# Altium PCB HW_PROCESSOR_BOARD_R1.PcbDoc (part 1 of 2) (continued)
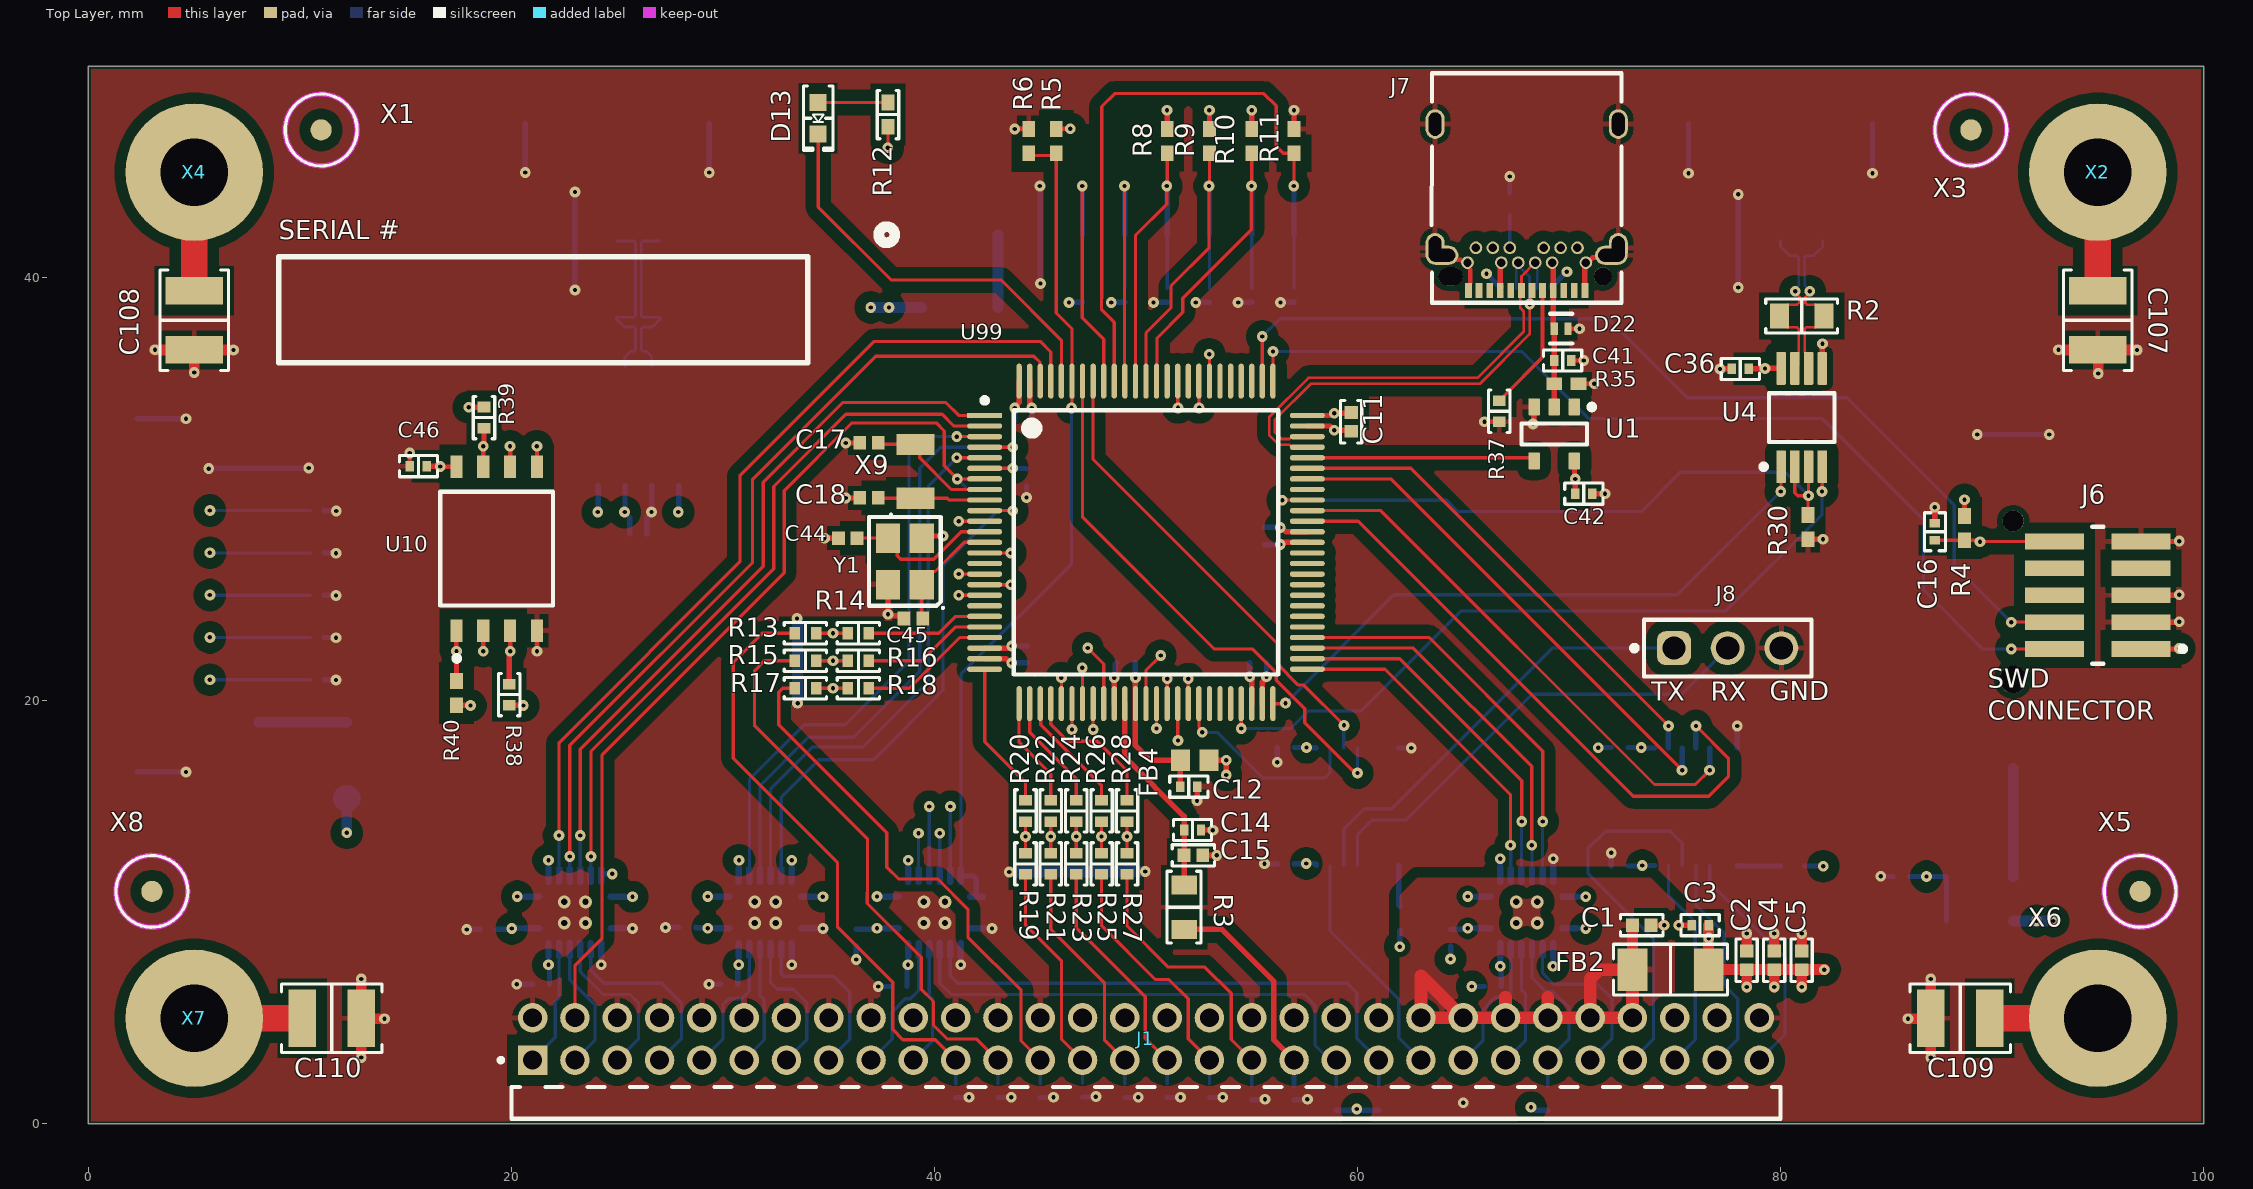
[diagram p0: Top Layer view]
## Components (designator, comment, footprint, x,y, rotation, side; value= is the part's Value field where it differs from the comment) (continued)
U3 "SN74AVC4T774RGYR" FP-RGY0016A-MFG 68,10 r270 bottom
U4 "SN65HVD75DGKR" DGK0008A_M 81,33.4 r90 top
U5 "TXS0104EQPWRQ1" FP-PW0014A-IPC_C 76,15 r270 bottom
U6 "SN65HVD232DR" D0008A_M 26,33 r90 bottom
U7 "SN74AVC4T774RGYR" FP-RGY0016A-MFG 32,10 r270 bottom
U8 "TXS0104EQPWRQ1" FP-PW0014A-IPC_C 60,15 r270 bottom
U9 "SN74AVC4T774RGYR" FP-RGY0016A-MFG 40,10 r270 bottom
U10 "MX25L12833FM2I-10G" FP-MX25L12833FM2I-10G-MFG 19.3,27.2 r90 top
U99 "STM32G474VET6" FP-LQFP100-1L-IPC_B 50,27.5 r0 top locked
X1 "FIDUCIAL" FIDUCIAL 11,47 r0 top
X2 "M3" FIXING_M3 95,45 r0 top locked
X3 "FIDUCIAL" FIDUCIAL 89,47 r0 top
X4 "M3" FIXING_M3 5,45 r0 top locked
X5 "FIDUCIAL" FIDUCIAL 97,11 r0 top
X6 "M3" FIXING_M3 95,5 r0 top locked
X7 "M3" FIXING_M3 5,5 r0 top
X8 "FIDUCIAL" FIDUCIAL 3,11 r0 top
X9 "CRYSTAL 32.7680KHZ 12.5PF SMD" CRY_ABS07 39.093,30.859 r90 top value=32.768KHZ
Y1 "24 MHz" "EPSON TSX-3225" 38.6,26.6 r90 top

## Footprints (in the part's own frame and the unit in brackets; to place one, negate y for a bottom-side part, rotate by r counter-clockwise, add the part's x,y. Pads: shape width x height; smd on the part's side, far side on the other; paste and mask are expansions set on the pad)
BAT_1056 [mm]
  rect 3.6x2.6 smd: N(7.61,0) P(-8.18,0)
  round 1.3 hole 1.3 unplated: ""(-3.98,0)
  round 1 hole 1 unplated: ""(3.51,0)
  silkscreen extent -11.74,-7.75 11.18,7.75, body extent -9.46,-7.56 9.34,7.57, height 4.24
"CAP 0402_1005" [mm] "Chip Capacitor, 2-Leads, Body 1.02x0.51mm, IPC Medium Density"
  rect 0.6x0.64 smd: 1(-0.44,0) 2(0.44,0)
  silkscreen extent -1,-0.5 1,0.5, body extent -0.5,-0.26 0.5,0.26, height 0.52
"CAP 1210_3225 - 1MM" [mm] "Chip Capacitor, 2-Leads, Body 3.20x2.50mm, IPC Medium Density"
  rect 1.3x2.7 smd: 1(-1.4,0) 2(1.4,0)
  silkscreen extent -2.37,-1.63 2.37,1.63, body extent -1.6,-1.25 1.6,1.25, height 1
CONN_S8B-PH-SM4-TB_JST [mil]
  rect 39x138 smd paste+0 mask+0: 1(-275.59,116.35) 2(-196.85,116.35) 3(-118.11,116.35) 4(-39.37,116.35) 5(39.37,116.35) 6(118.11,116.35) 7(196.85,116.35) 8(275.59,116.35)
  rect 59x134 smd paste+0 mask+0: 9(-368.11,-110.03) 10(368.11,-110.03)
  silkscreen extent -498,-174 396,174, body extent -392,-169 392,169, height 217
CRY_ABS07 [mm]
  rect 1x1.8 smd: 1(-1.275,0) 2(1.275,0)
  silkscreen extent -2.1,1.1 -2,1.2, body extent -1.61,-0.76 1.61,0.76, height 0.91
"CUI UJ31-CH-31-SMT-TR" [mm] "USB-C Receptacle Connector, 24 Postions, Body 8.96x10.85mm, SMD Pitch 0.5mm, TH Pitch 0.4mm"
  rect 0.32x0.7 smd: A1(-2.75,4.835) A2(-2.25,4.835) A3(-1.75,4.835) A4(-1.25,4.835) A5(-0.75,4.835) A6(-0.25,4.835) A7(0.25,4.835) A8(0.75,4.835) A9(1.25,4.835) A10(1.75,4.835) A11(2.25,4.835) A12(2.75,4.835)
  round 0.6 hole 0.4: B1(2.8,3.525) B2(2.4,2.825) B3(1.6,2.825) B4(1.2,3.525) B5(0.8,2.825) B6(0.4,3.525) B7(-0.4,3.525) B8(-0.8,2.825) B9(-1.2,3.525) B10(-1.6,2.825) B11(-2.4,2.825) B12(-2.8,3.525)
  oval 0.9x1.4 hole 0.6 slot 1.1 at 90 deg: S(-4.33,2.825) S(-4.33,-3.025) S(4.33,2.825) S(4.33,-3.025)
  oval 1.55x0.9 hole 0.6 slot 1.25 at 0 deg: S(-4.005,3.175) S(4.005,3.175)
  round 0.85 hole 0.85 unplated: ""(-3.6,4.175)
  oval 1.15x0.85 hole 0.85 slot 1.15 at 0 deg unplated: ""(3.6,4.175)
  silkscreen extent -4.48,-5.43 4.5,5.42, body extent -4.48,-5.43 4.48,5.43, height 3.2
D0008A_M [mm] "SOIC, 8-Leads, Body 5x4mm, Pitch 1.27mm, IPC Low Density"
  rrect15% 1.65x0.65 smd: 1(-2.825,1.905) 2(-2.825,0.635) 3(-2.825,-0.635) 4(-2.825,-1.905) 5(2.825,-1.905) 6(2.825,-0.635) 7(2.825,0.635) 8(2.825,1.905)
  silkscreen extent -2.95,-2.5 1.6,2.91, body extent -3,-2.45 3,2.45, height 1.63
DBV0005A_L [mm] "SOT23, 5-Leads, Body 3.05x1.75mm, Pitch 0.95mm, IPC High Density"
  rrect18% 0.8x0.55 smd: 1(-1.275,0.95) 2(-1.275,0) 3(-1.275,-0.95) 4(1.275,-0.95) 5(1.275,0.95)
  silkscreen extent -1.4,-1.55 0.5,1.9, body extent -1.42,-1.46 1.42,1.46, height 1.08
DGK0008A_M [mm] "TSOP, 8-Leads, Body 3.1x3.1mm, Pitch 0.65mm, IPC Low Density"
  rrect22% 1.55x0.45 smd: 1(-2.325,0.975) 2(-2.325,0.325) 3(-2.325,-0.325) 4(-2.325,-0.975) 5(2.325,-0.975) 6(2.325,-0.325) 7(2.325,0.325) 8(2.325,0.975)
  silkscreen extent -2.45,-1.55 1.15,1.92, body extent -2.45,-1.5 2.45,1.5, height 0.94
"EPSON TSX-3225" [mm] "Crystal, 4-Leads, Body 2.50x3.20mm, Pitch 2.20mm, IPC Medium Density"
  rect 1.4x1.15 smd: 1(-1.1,-0.8) 2(1.1,-0.8) 3(1.1,0.8) 4(-1.1,0.8)
  silkscreen extent -2.25,-1.85 2.1,1.7, body extent -1.61,-1.26 1.61,1.26, height 0.6
"FER 0603_1608" [mm]
  rect 0.9x1 smd: 1(-0.675,0) 2(0.675,0)
  body extent -0.8,-0.41 0.8,0.41, height 0.82
"FER 1206_3216" [mm] "Chip Ferrite, 2-Leads, Body 3.20x1.60mm, IPC Medium Density"
  rect 1.4x2 smd: 1(-1.8,0) 2(1.8,0)
  silkscreen extent -2.7,-1.2 2.7,1.2, body extent -1.65,-0.85 1.65,0.85, height 1.3
FIDUCIAL [mm]
  round 1 smd mask+1.5: 1(0,0)
  round 1 smd far side mask+1.5: 1(0,0)
  Top Layer keep-out circle w0.254: c0,0 r1.7
  Bottom Layer keep-out circle w0.254: c0,0 r1.649
  silkscreen extent -1.7,-1.7 1.7,1.7
FIXING_M3 [mm]
  round 6.5 hole 3.2: 1(0,0)
FP-LQFP100-1L-IPC_B [mm]
  rect 1.655x0.252 smd paste+0 mask+0: 1(-7.625,6)
  rrect100% 1.655x0.252 smd paste+0 mask+0: 2(-7.625,5.5) 3(-7.625,5) 4(-7.625,4.5) 5(-7.625,4) 6(-7.625,3.5) 7(-7.625,3) 8(-7.625,2.5) 9(-7.625,2) 10(-7.625,1.5) 11(-7.625,1) 12(-7.625,0.5) 13(-7.625,0) 14(-7.625,-0.5) 15(-7.625,-1) 16(-7.625,-1.5) 17(-7.625,-2) 18(-7.625,-2.5) 19(-7.625,-3) 20(-7.625,-3.5) 21(-7.625,-4) 22(-7.625,-4.5) 23(-7.625,-5) 24(-7.625,-5.5) 25(-7.625,-6) 51(7.625,-6) 52(7.625,-5.5) 53(7.625,-5) 54(7.625,-4.5) 55(7.625,-4) 56(7.625,-3.5) 57(7.625,-3) 58(7.625,-2.5) 59(7.625,-2) 60(7.625,-1.5) 61(7.625,-1) 62(7.625,-0.5) 63(7.625,0) 64(7.625,0.5) 65(7.625,1) 66(7.625,1.5) 67(7.625,2) 68(7.625,2.5) 69(7.625,3) 70(7.625,3.5) 71(7.625,4) 72(7.625,4.5) 73(7.625,5) 74(7.625,5.5) 75(7.625,6)
  rrect100% 0.252x1.655 smd paste+0 mask+0: 26(-6,-7.625) 27(-5.5,-7.625) 28(-5,-7.625) 29(-4.5,-7.625) 30(-4,-7.625) 31(-3.5,-7.625) 32(-3,-7.625) 33(-2.5,-7.625) 34(-2,-7.625) 35(-1.5,-7.625) 36(-1,-7.625) 37(-0.5,-7.625) 38(0,-7.625) 39(0.5,-7.625) 40(1,-7.625) 41(1.5,-7.625) 42(2,-7.625) 43(2.5,-7.625) 44(3,-7.625) 45(3.5,-7.625) 46(4,-7.625) 47(4.5,-7.625) 48(5,-7.625) 49(5.5,-7.625) 50(6,-7.625) 76(6,7.625) 77(5.5,7.625) 78(5,7.625) 79(4.5,7.625) 80(4,7.625) 81(3.5,7.625) 82(3,7.625) 83(2.5,7.625) 84(2,7.625) 85(1.5,7.625) 86(1,7.625) 87(0.5,7.625) 88(0,7.625) 89(-0.5,7.625) 90(-1,7.625) 91(-1.5,7.625) 92(-2,7.625) 93(-2.5,7.625) 94(-3,7.625) 95(-3.5,7.625) 96(-4,7.625) 97(-4.5,7.625) 98(-5,7.625) 99(-5.5,7.625) 100(-6,7.625)
  silkscreen extent -7.75,-6.25 6.25,6.83, body extent -8.7,-8.7 8.7,8.7, height 0.25
FP-MX25L12833FM2I-10G-MFG [mm]
  rect 1.05x0.57 smd paste+0 mask+0: 1(-3.875,1.905) 2(-3.875,0.635) 3(-3.875,-0.635) 4(-3.875,-1.905) 5(3.875,-1.905) 6(3.875,-0.635) 7(3.875,0.635) 8(3.875,1.905)
  silkscreen extent -5.31,-2.67 2.69,2.67, body extent -4.5,-2.77 4.5,2.77, height 0.25
FP-PW0014A-IPC_C [mm]
  rect 1.355x0.341 smd paste+0 mask+0: 1(-2.775,1.95)
  rrect100% 1.355x0.341 smd paste+0 mask+0: 2(-2.775,1.3) 3(-2.775,0.65) 4(-2.775,0) 5(-2.775,-0.65) 6(-2.775,-1.3) 7(-2.775,-1.95) 8(2.775,-1.95) 9(2.775,-1.3) 10(2.775,-0.65) 11(2.775,0) 12(2.775,0.65) 13(2.775,1.3) 14(2.775,1.95)
  silkscreen extent -4.17,-2.5 1.6,2.5, body extent -3.17,-2.5 3.23,2.5, height 1.2
FP-RGY0016A-MFG [mm]
  round 0.252 smd paste-1000 mask+0: 1(-0.75,1.975) 2(-1.725,1.25) 3(-1.725,0.75) 4(-1.725,0.25) 5(-1.725,-0.25) 6(-1.725,-0.75) 7(-1.725,-1.25) 8(-0.75,-1.975) 9(0.75,-1.975) 10(1.725,-1.25) 11(1.725,-0.75) 12(1.725,-0.25) 13(1.725,0.25) 14(1.725,0.75) 15(1.725,1.25) 16(0.75,1.975)
  rect 2.05x2.55 smd paste-1000 mask+0: 17(0,0)
  Top Layer region: 2.15,-1.39 1.44,-1.39 1.386,-1.379 1.341,-1.349 1.311,-1.304 1.3,-1.25 1.3,-1.25 1.311,-1.196 1.341,-1.151 1.386,-1.121 1.44,-1.11 1.44,-1.11 2.15,-1.11
  Top Layer region: 0.61,-2.4 0.61,-1.69 0.621,-1.636 0.651,-1.591 0.696,-1.561 0.75,-1.55 0.75,-1.55 0.804,-1.561 0.849,-1.591 0.879,-1.636 0.89,-1.69 0.89,-1.69 0.89,-2.4
  Top Layer region: 0.89,2.4 0.89,1.69 0.879,1.636 0.849,1.591 0.804,1.561 0.75,1.55 0.75,1.55 0.696,1.561 0.651,1.591 0.621,1.636 0.61,1.69 0.61,1.69 0.61,2.4
  Top Layer region: -0.89,-2.4 -0.89,-1.69 -0.879,-1.636 -0.849,-1.591 -0.804,-1.561 -0.75,-1.55 -0.75,-1.55 -0.696,-1.561 -0.651,-1.591 -0.621,-1.636 -0.61,-1.69 -0.61,-1.69 -0.61,-2.4
  Top Layer region: 2.15,1.11 1.44,1.11 1.386,1.121 1.341,1.151 1.311,1.196 1.3,1.25 1.3,1.25 1.311,1.304 1.341,1.349 1.386,1.379 1.44,1.39 1.44,1.39 2.15,1.39
  Top Layer region: 2.15,0.61 1.44,0.61 1.386,0.621 1.341,0.651 1.311,0.696 1.3,0.75 1.3,0.75 1.311,0.804 1.341,0.849 1.386,0.879 1.44,0.89 1.44,0.89 2.15,0.89
  Top Layer region: 2.15,0.11 1.44,0.11 1.386,0.121 1.341,0.151 1.311,0.196 1.3,0.25 1.3,0.25 1.311,0.304 1.341,0.349 1.386,0.379 1.44,0.39 1.44,0.39 2.15,0.39
  Top Layer region: 2.15,-0.39 1.44,-0.39 1.386,-0.379 1.341,-0.349 1.311,-0.304 1.3,-0.25 1.3,-0.25 1.311,-0.196 1.341,-0.151 1.386,-0.121 1.44,-0.11 1.44,-0.11 2.15,-0.11
  Top Layer region: 2.15,-0.89 1.44,-0.89 1.386,-0.879 1.341,-0.849 1.311,-0.804 1.3,-0.75 1.3,-0.75 1.311,-0.696 1.341,-0.651 1.386,-0.621 1.44,-0.61 1.44,-0.61 2.15,-0.61
  Top Layer region: -2.15,-1.11 -1.44,-1.11 -1.386,-1.121 -1.341,-1.151 -1.311,-1.196 -1.3,-1.25 -1.3,-1.25 -1.311,-1.304 -1.341,-1.349 -1.386,-1.379 -1.44,-1.39 -1.44,-1.39 -2.15,-1.39
  Top Layer region: -2.15,-0.61 -1.44,-0.61 -1.386,-0.621 -1.341,-0.651 -1.311,-0.696 -1.3,-0.75 -1.3,-0.75 -1.311,-0.804 -1.341,-0.849 -1.386,-0.879 -1.44,-0.89 -1.44,-0.89 -2.15,-0.89
  Top Layer region: -2.15,-0.11 -1.44,-0.11 -1.386,-0.121 -1.341,-0.151 -1.311,-0.196 -1.3,-0.25 -1.3,-0.25 -1.311,-0.304 -1.341,-0.349 -1.386,-0.379 -1.44,-0.39 -1.44,-0.39 -2.15,-0.39
  Top Layer region: -2.15,0.39 -1.44,0.39 -1.386,0.379 -1.341,0.349 -1.311,0.304 -1.3,0.25 -1.3,0.25 -1.311,0.196 -1.341,0.151 -1.386,0.121 -1.44,0.11 -1.44,0.11 -2.15,0.11
  Top Layer region: -2.15,0.89 -1.44,0.89 -1.386,0.879 -1.341,0.849 -1.311,0.804 -1.3,0.75 -1.3,0.75 -1.311,0.696 -1.341,0.651 -1.386,0.621 -1.44,0.61 -1.44,0.61 -2.15,0.61
  Top Layer region: -2.15,1.39 -1.44,1.39 -1.386,1.379 -1.341,1.349 -1.311,1.304 -1.3,1.25 -1.3,1.25 -1.311,1.196 -1.341,1.151 -1.386,1.121 -1.44,1.11 -1.44,1.11 -2.15,1.11
  Top Layer region: -0.61,2.4 -0.61,1.69 -0.621,1.636 -0.651,1.591 -0.696,1.561 -0.75,1.55 -0.75,1.55 -0.804,1.561 -0.849,1.591 -0.879,1.636 -0.89,1.69 -0.89,1.69 -0.89,2.4
  silkscreen extent -1.83,-2.07 1.83,3.07, body extent -1.76,-2.01 1.76,2.01, height 1
FP-S3B-PH-SM4-TB_LF_SN-MFG [mm]
  rect 1x3.5 smd paste+0 mask+0: 1(-2,-3.25) 2(0,-3.25) 3(2,-3.25)
  rect 1.5x3.4 smd paste+0 mask+0: 4(-4.35,2.3) 5(4.35,2.3)
  silkscreen extent -4.95,-5.75 4.95,3.8, body extent -4.95,-4.8 4.95,3.8, height 5.6
FP-S7B-PH-SM4-TB_LF_SN-MFG [mm]
  rect 1x3.5 smd paste+0 mask+0: 1(6,-3.05) 2(4,-3.05) 3(2,-3.05) 4(0,-3.05) 5(-2,-3.05) 6(-4,-3.05) 7(-6,-3.05)
  rect 1.5x3.4 smd paste+0 mask+0: 8(-8.35,2.7) 9(8.35,2.7)
  silkscreen extent -8.95,-5.53 8.95,3.8, body extent -8.95,-4.8 8.95,3.8, height 5.5
FP-SESD0402-MFG [mm]
  rect 0.35x0.6 smd paste+0 mask+0: 1(-0.325,0) 2(0.325,0)
  silkscreen extent -0.53,-0.71 0.53,0.7, body extent -0.5,-0.3 0.5,0.3, height 0.43
"LED 0603_1608 GREEN" [mm] "Chip Diode, 2-Leads, Body 1.60x0.80mm, IPC Medium Density"
  rect 0.8x0.8 smd: 1(-0.75,0) 2(0.75,0)
  silkscreen extent -1.52,-0.7 1.52,0.7, body extent -0.8,-0.4 0.8,0.4, height 0.53
"MURATA GRM155 0402_1005" [mm] "Chip Capacitor, 2-Leads, Body 1.0x0.50mm"
  rect 0.4x0.5 smd: 1(-0.4,0) 2(0.4,0)
  silkscreen extent -0.9,-0.5 0.9,0.5, body extent -0.52,-0.27 0.53,0.28, height 0.55
"RES 0402_1005" [mm]
  rect 0.75x0.6 smd: 1(-0.575,0) 2(0.575,0)
  body extent -0.5,-0.25 0.5,0.25, height 0.35
Samtec_0_MFG [mm]
  rect 0.74x2.79 smd: 1(-2.54,-2.035) 2(-2.54,2.035) 3(-1.27,-2.035) 4(-1.27,2.035) 5(0,-2.035) 6(0,2.035) 7(1.27,-2.035) 8(1.27,2.035) 9(2.54,-2.035) 10(2.54,2.035)
  silkscreen extent -3.24,-4.14 3.24,0.27, body extent -3.34,-3.53 3.34,3.53, height 0.25
SAMTEC_TMM-130-01-X-D-RA [mil]
  rect 55x55 / inner round 55 / far side rect 55x55 hole 35: 01(-1141.73,79.5)
  round 55 hole 35: 02(-1141.73,158.24) 03(-1062.99,79.5) 04(-1062.99,158.24) 05(-984.25,79.5) 06(-984.25,158.24) 07(-905.51,79.5) 08(-905.51,158.24) 09(-826.77,79.5) 10(-826.77,158.24) 11(-748.03,79.5) 12(-748.03,158.24) 13(-669.29,79.5) 14(-669.29,158.24) 15(-590.55,79.5) 16(-590.55,158.24) 17(-511.81,79.5) 18(-511.81,158.24) 19(-433.07,79.5) 20(-433.07,158.24) 21(-354.33,79.5) 22(-354.33,158.24) 23(-275.59,79.5) 24(-275.59,158.24) 25(-196.85,79.5) 26(-196.85,158.24) 27(-118.11,79.5) 28(-118.11,158.24) 29(-39.37,79.5) 30(-39.37,158.24) 31(39.37,79.5) 32(39.37,158.24) 33(118.11,79.5) 34(118.11,158.24) 35(196.85,79.5) 36(196.85,158.24) 37(275.59,79.5) 38(275.59,158.24) 39(354.33,79.5) 40(354.33,158.24) 41(433.07,79.5) 42(433.07,158.24) 43(511.81,79.5) 44(511.81,158.24) 45(590.55,79.5) 46(590.55,158.24) 47(669.29,79.5) 48(669.29,158.24) 49(748.03,79.5) 50(748.03,158.24) 51(826.77,79.5) 52(826.77,158.24) 53(905.51,79.5) 54(905.51,158.24) 55(984.25,79.5) 56(984.25,158.24) 57(1062.99,79.5) 58(1062.99,158.24) 59(1141.73,79.5) 60(1141.73,158.24)
  silkscreen extent -1205,-30 1181,83, body extent -1181,-155 1181,169, height 158
SOD-123 [mm] "SOD, 2-Leads, Body 1.55x3.70mm, IPC Medium Density"
  rect 0.9x0.95 smd: 1(-1.575,0) 2(1.575,0)
  silkscreen extent -2.3,-0.92 2.41,0.92, body extent -1.86,-0.78 1.86,0.77, height 1.35
"WURTH WE-PHD 61300311121" [mm] "Pin Header, pitch 2.54 mm, THT, Vertical, single row, 3p"
  rrect50% 1.6x1.6 hole 1.1: 1(-2.54,0)
  round 1.6 hole 1.1: 2(0,0) 3(2.54,0)
  silkscreen extent -4.53,-1.35 3.96,1.35, body extent -3.81,-1.27 3.81,1.27, height 8.57
"YAGEO RES 0402_1005" [mm] "Chip Resistor, 2-Leads, Body 1.0x0.5mm"
  rect 0.5x0.6 smd: 1(-0.5,0) 2(0.5,0)
  silkscreen extent -1,-0.51 1,0.51, body extent -0.5,-0.25 0.5,0.25, height 0.35
"YAGEO RES 0805_2012" [mm] "Chip Resistor, 2-Leads, Body 2.00x1.25mm"
  rect 0.9x1.2 smd: 1(-1.05,0) 2(1.05,0)
  silkscreen extent -1.7,-0.8 1.7,0.8, body extent -1,-0.62 1,0.63, height 0.6

## Part data
BT1: "Battery Holder, SMT, 1 Coin Cell, 12mm, Plastic, UL94V-0", Package=None, Check_prices=https://www.snapeda.com/parts/1056/Keystone/view-part/?ref=eda, MF="Keystone Electronics Corp.", MP=1056, SnapEDA_Link=https://www.snapeda.com/parts/1056/Keystone/view-part/?ref=snap
C1 C2 C6: library part C1005X7S1A105K050BC, "CAP CER 1UF 10V X7S 0402", Device Package="0402 (1005 Metric)", Manufacturer="TDK Corporation", Operating Temperature="-55°C ~ 125°C", Supplier Part Number 1=445-9116-1-ND, Temperature Coefficient=X7S, Tolerance=±10%, Voltage - Rated=10V, Applications="General Purpose", Capacitance="1 µF", ComponentLink1Description=Datasheet, ComponentLink1URL=https://product.tdk.com/info/en/catalog/datasheets/mlcc_commercial_general_en.pdf?ref_disty=digikey, ComponentLink2Description="DigiKey Link", ComponentLink2URL=https://www.digikey.com/en/products/detail/tdk-corporation/C1005X7S1A105K050BC/3661576, Features="Low ESL", lastupdated="2/9/2024 8:04:17 PM", Lifecycle Status=Active, Minimum Order=1, Mounting Type="Surface Mount, MLCC", Package / Case="0402 (1005 Metric)", Packaging=TapeAndReel, Part Number=C1005X7S1A105K050BC, Part Status=Active, partid=34315, price=0.03, series=C, Size / Dimension="0.039\" L x 0.020\" W (1.00mm x 0.50mm)", Supplier 1=DigiKey, Thickness (Max)="0.022\" (0.55mm)"
C3 C7 C8 C9 C10 C12 C14 C16 C27 C28 C29 C30 C31 C32 C33 C34 C35 C36 C37 C38 C39 C40 C41 C42 C43 C46 C47: library part GRM155R71H104KE14J, "CAP CER 0.1UF 50V X7R 0402", Device Package="0402 (1005 Metric)", Manufacturer="Murata Electronics", Operating Temperature="-55°C ~ 125°C", Supplier Part Number 1=490-13342-1-ND, Temperature Coefficient=X7R, Tolerance=±10%, Voltage - Rated=50V, Applications="General Purpose", Capacitance="0.1 µF", ComponentLink1Description=Datasheet, ComponentLink1URL=https://search.murata.co.jp/Ceramy/image/img/A01X/G101/ENG/GRM155R71H104KE14-01.pdf, ComponentLink2Description="DigiKey Link", ComponentLink2URL=https://www.digikey.com/en/products/detail/murata-electronics/GRM155R71H104KE14J/4905180, lastupdated="7/23/2025 10:42:35 AM", Lifecycle Status=Active, Minimum Order=1, Mounting Type="Surface Mount, MLCC", Package / Case="0402 (1005 Metric)", Packaging=CutTape, Part Number=GRM155R71H104KE14J, Part Status=Active, partid=4071, price=0.01, series=GRM, Size / Dimension="0.039\" L x 0.020\" W (1.00mm x 0.50mm)", Supplier 1=DigiKey, Thickness (Max)="0.022\" (0.55mm)"
C4 C11 C13 C15: library part CC0402KRX7R9BB103, "CAP CER 10000PF 50V X7R 0402", Device Package="0402 (1005 Metric)", Manufacturer=Yageo, Operating Temperature="-55°C ~ 125°C", Supplier Part Number 1=311-1349-1-ND, Temperature Coefficient=X7R, Tolerance=±10%, Voltage - Rated=50V, Applications="General Purpose", Capacitance="10000 pF", ComponentLink1Description=Datasheet, ComponentLink1URL=https://www.yageo.com/upload/media/product/productsearch/datasheet/mlcc/UPY-GPHC_X7R_6.3V-to-50V_18.pdf, ComponentLink2Description="DigiKey Link", ComponentLink2URL=https://www.digikey.com/en/products/detail/yageo/CC0402KRX7R9BB103/2103087, lastupdated="2/9/2024 8:04:30 PM", Lifecycle Status=Active, Minimum Order=10, Mounting Type="Surface Mount, MLCC", Package / Case="0402 (1005 Metric)", Packaging=CutTape, Part Number=CC0402KRX7R9BB103, Part Status=Active, partid=6681, price=0.01, series=CC, Size / Dimension="0.039\" L x 0.020\" W (1.00mm x 0.50mm)", Supplier 1=DigiKey, Thickness (Max)="0.022\" (0.55mm)"
C5 C19 C20 C21 C22 C23 C24 C25 C26: library part CC0402KRX7R9BB102, "CAP CER 1000PF 50V X7R 0402", Device Package="0402 (1005 Metric)", Manufacturer=Yageo, Operating Temperature="-55°C ~ 125°C", Supplier Part Number 1=311-1036-1-ND, Temperature Coefficient=X7R, Tolerance=±10%, Voltage - Rated=50V, Applications="General Purpose", Capacitance="1000 pF", ComponentLink1Description=Datasheet, ComponentLink1URL=https://www.yageo.com/upload/media/product/productsearch/datasheet/mlcc/UPY-GPHC_X7R_6.3V-to-50V_18.pdf, ComponentLink2Description="DigiKey Link", ComponentLink2URL=https://www.digikey.com/en/products/detail/yageo/CC0402KRX7R9BB102/302770, lastupdated="2/9/2024 8:04:33 PM", Lifecycle Status=Active, Minimum Order=10, Mounting Type="Surface Mount, MLCC", Package / Case="0402 (1005 Metric)", Packaging=CutTape, Part Number=CC0402KRX7R9BB102, Part Status=Active, partid=4791, price=0.01, series=CC, Size / Dimension="0.039\" L x 0.020\" W (1.00mm x 0.50mm)", Supplier 1=DigiKey, Thickness (Max)="0.022\" (0.55mm)"
C17 C18 C44 C45: library part CC0402GRNPO9BN150, "CAP CER 15PF 50V C0G/NPO 0402", Device Package="0402 (1005 Metric)", Manufacturer=Yageo, Operating Temperature="-55°C ~ 125°C", Supplier Part Number 1=311-1649-1-ND, Temperature Coefficient="C0G, NP0", Tolerance=±2%, Voltage - Rated=50V, Applications="General Purpose", Capacitance="15 pF", ComponentLink1Description=Datasheet, ComponentLink1URL=https://www.yageo.com/upload/media/product/productsearch/datasheet/mlcc/UPY-GP_NP0_16V-to-50V_17.pdf, ComponentLink2Description="DigiKey Link", ComponentLink2URL=https://www.digikey.com/en/products/detail/yageo/CC0402GRNPO9BN150/5195058, lastupdated="2/9/2024 8:04:37 PM", Lifecycle Status=Active, Minimum Order=10, Mounting Type="Surface Mount, MLCC", Package / Case="0402 (1005 Metric)", Packaging=TapeAndReel, Part Number=CC0402GRNPO9BN150, Part Status=Active, partid=1901, price=0.01, series=CC, Size / Dimension="0.039\" L x 0.020\" W (1.00mm x 0.50mm)", Supplier 1=DigiKey, Thickness (Max)="0.022\" (0.55mm)"
C107 C108 C109 C110: library part C1210X333KDRAC7800, "CAP CER 0.033UF 1KV X7R 1210", Device Package="1210 (3225 Metric)", Manufacturer=KEMET, Operating Temperature="-55°C ~ 125°C", Supplier Part Number 1=399-C1210X333KDRAC7800CT-ND, Temperature Coefficient=X7R, Tolerance=±10%, Voltage - Rated="1000V (1kV)", Applications="Boardflex Sensitive", Capacitance="0.033 µF", ComponentLink1Description=Datasheet, ComponentLink1URL=https://api.kemet.com/component-edge/download/datasheet/C1210X333KDRACTU.pdf, ComponentLink2Description="DigiKey Link", ComponentLink2URL=https://www.digikey.com/en/products/detail/kemet/C1210X333KDRAC7800/3084039, Features="Low ESL, Soft Termination, High Voltage", lastupdated="04/06/2024 19:20:53", Lifecycle Status=Active, Minimum Order=1, Mounting Type="Surface Mount, MLCC", Package / Case="1210 (3225 Metric)", Packaging=TapeAndReel, Part Number=C1210X333KDRAC7800, Part Status=Active, partid=29427, price=0.17, series="SMD Comm X7R HV Flex", Size / Dimension="0.130\" L x 0.102\" W (3.30mm x 2.60mm)", Supplier 1=DigiKey, Thickness (Max)="0.067\" (1.70mm)"
D1 D2 D3 D4 D5 D6 D7 D8 D9 D10 D11 D12 D14 D15 D16 D17 D18 D19 D20 D21 D22 D23 D24: library part CMP-08607-000062-1, "TVS DIODE 7V 10V 0402", Breakdown Voltage=9.8V, Capacitance=0.1pF, Clamping Voltage=10V, Manufacturer=Littelfuse, Package=SESD0402, Peak Pulse Current=2A, Reverse Standoff Voltage=7V, Temperature="-55°C to +125°C", Temperature Range High=+125°C, Temperature Range Low=-55°C, Automotive=Yes, Automotive Grade="Grade 1", Category=Diode, ComponentLink2Description=Datasheet, ComponentLink2URL=https://www.littelfuse.com/~/media/electronics/datasheets/tvs_diode_arrays/littelfuse_tvs_diode_array_sesd_ultra_low_capacitance_discrete_tvs_datasheet.pdf.pdf, Device Class L1="Circuit Protection", Device Class L2="TVS Diodes", Device Class L3=unset, Digikey Description="TVS DIODE 7V 10V 0402", Direction=Bidirectional, Height=0.43mm, Lead Free=Yes, Manufacturer Part Number=RF2945-000, Number of Channels=1, Octopart=https://octopart.com/rf2945-000-littelfuse-56516902, RoHS=TRUE, Standoff Height=0mm